# Altium PCB higgs.PcbDoc (part 22 of 25)
Units mm, origin at the board's own origin, x right, y up, seen from the top; angles counter-clockwise.
Board outline 160 x 160 mm, 15 copper layers (TOP, P1(GND), S1(V), P2(GND), S2(H), P3(GND), S3(V12/V2V5), S4(VDDR), P4(GND), S5(V), P5(GND), S6(H), P6(GND), P1(GND) (Plane1), BOT), stack 3.262 mm thick; 1283 components, 2419 nets, 11066 pads, 5487 vias.
Unrouted connection lines stored in the file: 239.
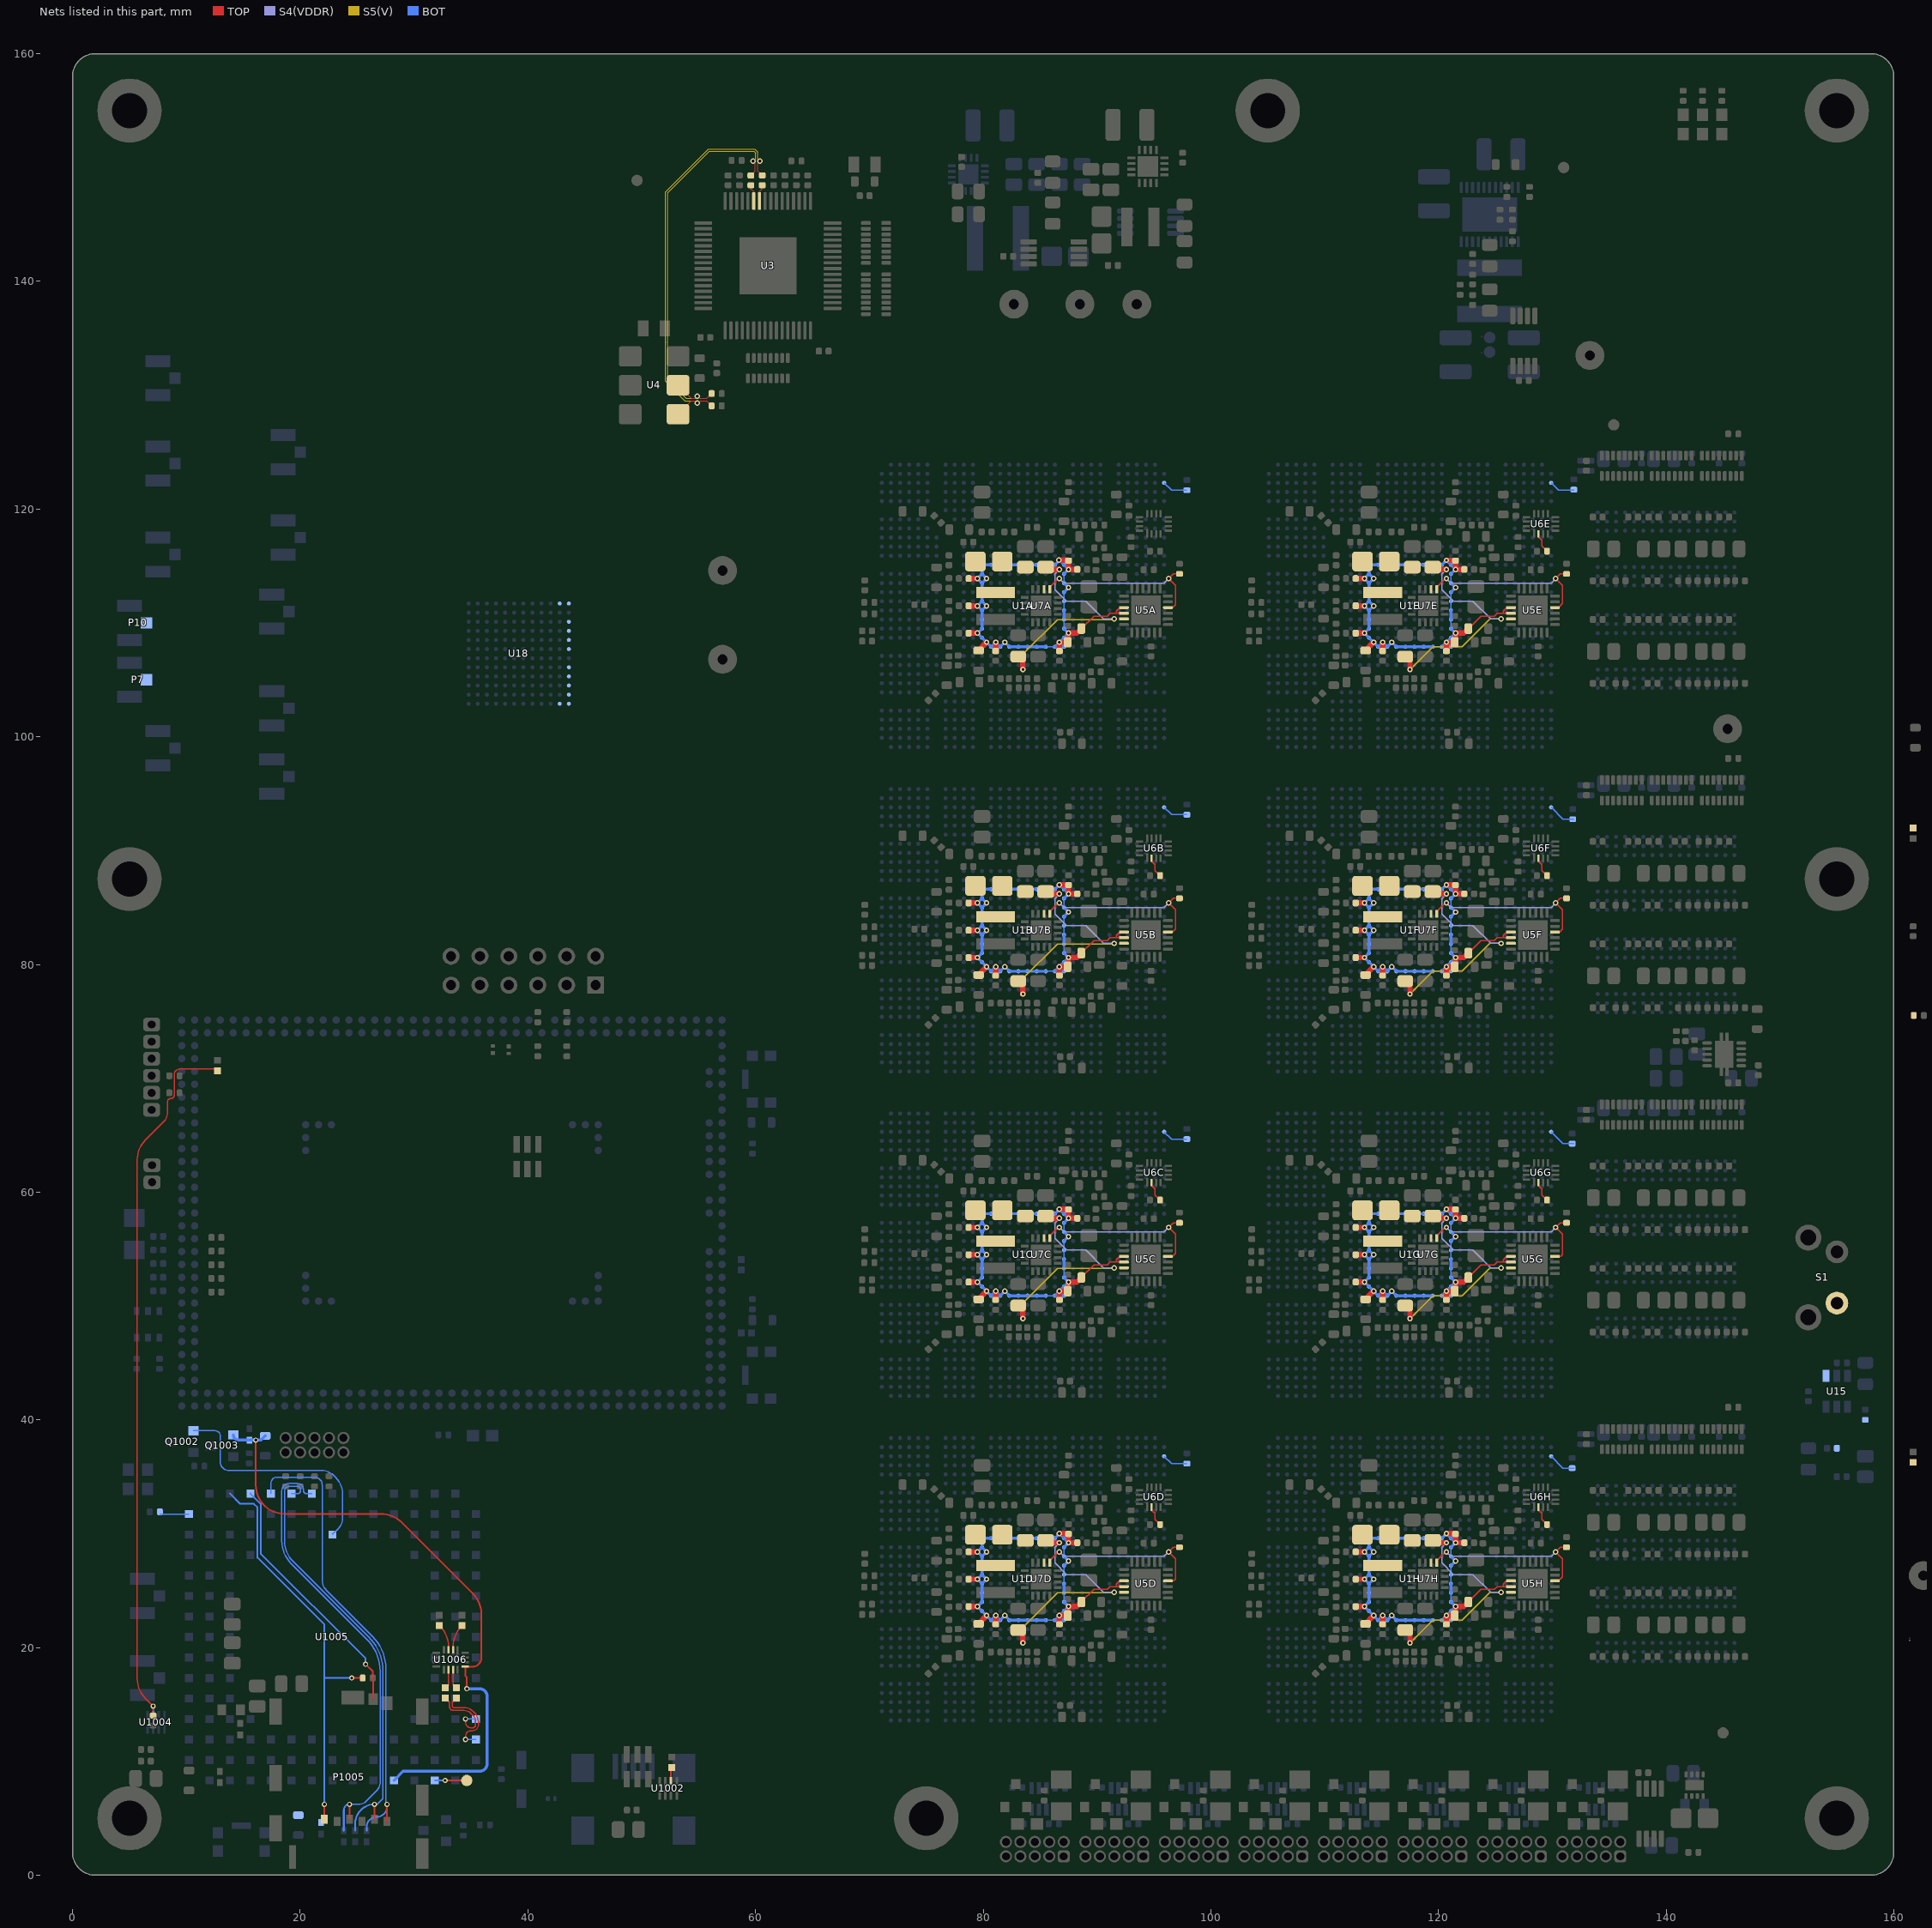
[diagram p35: the nets of this part, all layers, seen from the top]

## Via types
v1: diameter 0.483, hole 0.254, TOP to BOT, tented both sides, 5146 vias
v2: diameter 0.457, hole 0.254, TOP to BOT, tented both sides, 278 vias
v3: diameter 0.5, hole 0.25, TOP to BOT, 50 vias
v4: diameter 0.483/0/0/0/0.483/0/0/0.483 (per signal layer), hole 0.254, TOP to BOT, tented both sides, 7 vias
v5: diameter 0.483, hole 0.254, TOP to BOT, tented bottom, 5 vias
v6: diameter 0.483, hole 0.254, TOP to BOT, 1 vias

## Nets (pads, with @x,y where several pads share a name; then routed paths per layer and width w, separated by ;. In a path a pad name is that pad's centre, name@x,y a point inside that pad or via, vN(x,y) a via of type N, cw(c..) or ccw(c..) an arc to the next point about the centre after c; other vN are vias at no path point) (continued)
NetR122B_1: R122B.1 U6B.2 | length 1.8
  TOP w0.1: U6B.2@94.8,89.325 94.8,89.063 95.098,88.765 95.098,88.247 R122B.1@95.545,87.8
NetR122C_1: R122C.1 U6C.2 | length 1.8
  TOP w0.1: U6C.2@94.8,60.825 94.8,60.563 95.098,60.265 95.098,59.747 R122C.1@95.545,59.3
NetR122D_1: R122D.1 U6D.2 | length 1.8
  TOP w0.1: U6D.2@94.8,32.325 94.8,32.063 95.098,31.765 95.098,31.247 R122D.1@95.545,30.8
NetR122E_1: R122E.1 U6E.2 | length 1.8
  TOP w0.1: U6E.2@128.8,117.825 128.8,117.563 129.098,117.265 129.098,116.747 R122E.1@129.545,116.3
NetR122F_1: R122F.1 U6F.2 | length 1.8
  TOP w0.1: U6F.2@128.8,89.325 128.8,89.063 129.098,88.765 129.098,88.247 R122F.1@129.545,87.8
NetR122G_1: R122G.1 U6G.2 | length 1.8
  TOP w0.1: U6G.2@128.8,60.825 128.8,60.563 129.098,60.265 129.098,59.747 R122G.1@129.545,59.3
NetR122H_1: R122H.1 U6H.2 | length 1.8
  TOP w0.1: U6H.2@128.8,32.325 128.8,32.063 129.098,31.765 129.098,31.247 R122H.1@129.545,30.8
NetR125A_2: R125A.2 U1A.AM3 | length 2.3
  BOT w0.102: U1A.AM3@95.9,122.3 96.545,121.655 R125A.2@97.9,121.655
NetR125B_2: R125B.2 U1B.AM3 | length 2.3
  BOT w0.102: U1B.AM3@95.9,93.8 96.545,93.155 R125B.2@97.9,93.155
NetR125C_2: R125C.2 U1C.AM3 | length 2.3
  BOT w0.102: U1C.AM3@95.9,65.3 96.545,64.655 R125C.2@97.9,64.655
NetR125D_2: R125D.2 U1D.AM3 | length 2.3
  BOT w0.102: U1D.AM3@95.9,36.8 96.545,36.155 R125D.2@97.9,36.155
NetR125E_2: R125E.2 U1E.AM3 | length 2.3
  BOT w0.102: U1E.AM3@129.9,122.3 130.545,121.655 R125E.2@131.9,121.655
NetR125F_2: R125F.2 U1F.AM3 | length 2.4
  BOT w0.102: U1F.AM3@129.9,93.8 130.945,92.755 R125F.2@131.9,92.755
NetR125G_2: R125G.2 U1G.AM3 | length 2.4
  BOT w0.102: U1G.AM3@129.9,65.3 130.945,64.255 R125G.2@131.755,64.255 R125G.2@131.9,64.255
NetR125H_2: R125H.2 U1H.AM3 | length 2.4
  BOT w0.102: U1H.AM3@129.9,36.8 130.945,35.755 R125H.2@131.755,35.755 R125H.2@131.9,35.755
NetR1015_1: R1015.1 U1002.2 | length 1.2
  TOP w0.152: U1002.2@52.579,8.264 52.579,9.343 cw(c52.75,9.343) R1015.1@52.629,9.464
NetR1020_1: R1020.1 R1021.1 U1004.2 | length 63
  TOP w0.102: R1020.1@7.076,14.022 v2(7.076,14.847) 6.423,15.5 cw(c8.219,17.296) 5.679,17.296 5.679,62.817 cw(c8.219,62.817) 6.423,64.613 8.048,66.238 ccw(c7.368,66.917) 8.329,66.917 8.329,67.919 cw(c8.629,67.919) 8.629,68.219 ccw(c8.629,68.527) 8.937,68.527 8.937,70.319 cw(c9.437,70.319) 9.437,70.819 12.574,70.819 cw(c12.574,70.664) R1021.1@12.729,70.664
  BOT w0.102: v2(7.076,14.847) 7.079,14.844 U1004.2@7.079,14.064
NetR1022_2: R1022.2 U1005.B1 | length 2.6
  BOT w0.102: R1022.2@7.674,31.719 U1005.B1@10.229,31.719
NetR1023_1: R1023.1 U1006.11 | length 1.7
  TOP w0.102: U1006.11@33.429,18.044 33.429,16.774 ccw(c33.729,16.774) R1023.1@33.729,16.474
NetR1023_2: R1023.2 U1005.N15 | length 7.1
  TOP w0.102: R1023.2@33.729,15.564 33.365,15.2 33.365,14.847 ccw(c33.492,14.847) 33.492,14.72 34.381,14.72 cw(c34.381,13.546) 35.211,14.376 35.323,14.265 cw(c34.53,13.472) 35.651,13.472 35.651,13.196 cw(c35.143,13.196) 35.143,12.688 35.016,12.688 ccw(c35.016,12.201) 34.529,12.201 v2(34.529,11.919)
  BOT w0.127: v2(34.529,11.919) U1005.N15@35.429,11.919
NetR1024_2: R1024.2 U1006.2 | length 2.3
  TOP w0.127: U1006.2@33.429,19.794 33.429,20.067 cw(c35.969,20.067) 34.173,21.863 R1024.2@34.229,21.919
NetR1025_1: R1025.1 U1006.10 | length 1.7
  TOP w0.102: R1025.1@32.729,16.474 ccw(c32.729,16.774) 33.029,16.774 U1006.10@33.029,18.044
NetR1025_2: R1025.2 U1005.M15 | length 6.7
  TOP w0.102: R1025.2@32.729,15.564 33.111,15.182 33.111,14.847 ccw(c33.492,14.847) 33.492,14.466 34.381,14.466 cw(c34.381,13.546) 35.031,14.197 35.143,14.085 cw(c34.53,13.472) 35.397,13.472 35.397,13.196 cw(c35.143,13.196) 35.143,12.942 35.016,12.942 cw(c35.016,13.429) 34.529,13.429 v2(34.529,13.719)
  BOT w0.127: v2(34.529,13.719) U1005.M15@35.429,13.719
NetR1026_2: R1026.2 U1006.3 | length 2.3
  TOP w0.127: R1026.2@32.229,21.919 32.285,21.863 cw(c30.489,20.067) 33.029,20.067 U1006.3@33.029,19.794
NetR?_1: R?.1
NetT8_3: T8.3 U19.6
NetT10_3: T10.3 U20.6
NetTP1000_1: TP1000.1 U1005.R13 | length 2.8
  TOP w0.127: v2(32.729,8.319) TP1000.1@34.629,8.319
  BOT w0.127: U1005.R13@31.829,8.319 v2(32.729,8.319)
OBCLK_C_N: C66.1 U3.11 | length 1.5
  TOP w0.089: C66.1@59.59,148.446 59.59,148.132 59.84,147.882 U3.11@59.84,147.056
OBCLK_C_P: C65.1 U3.10 | length 1.5
  TOP w0.089: U3.10@60.34,147.056 60.34,147.882 60.59,148.132 C65.1@60.59,148.446
OBCLK_N: C66.2 R15.2 U4.5 | length 35.2
  TOP w0.089: U4.5@53.19,130.876 54.358,129.708 54.696,129.708 v1(54.893,129.904) 55.09,129.708 55.707,129.708 R15.2@56.145,130.146 ; C66.2@59.59,149.306 59.988,149.704 59.988,150.376 v1(59.792,150.573)
  S5(V) w0.089: v1(54.893,129.904) 54.696,129.708 53.89,129.708 52.29,131.308 52.29,134.223 52.293,134.226 52.293,134.726 52.29,134.729 52.29,147.776 55.937,151.423 59.843,151.423 59.99,151.276 59.99,150.771 v1(59.792,150.573)
OBCLK_P: C65.2 R14.2 U4.4 | length 36.2
  TOP w0.089: U4.4@53.19,128.336 54.358,129.504 54.696,129.504 v1(54.893,129.308) 55.09,129.504 55.707,129.504 R14.2@56.145,129.066 ; v1(60.389,150.573) 60.192,150.376 60.192,149.704 C65.2@60.59,149.306
  S5(V) w0.089: v1(54.893,129.308) 54.696,129.504 53.806,129.504 52.087,131.223 52.087,134.307 52.09,134.31 52.09,134.642 52.087,134.645 52.087,147.86 55.853,151.626 59.927,151.626 60.193,151.36 60.193,150.768 v1(60.389,150.573)
ONA: R25A.2 U16A.2
ONB: R25B.2 U16B.2
OUTA: C114A.2 P10.1
OUTB: C114B.2 P7.1
PROG_N: C132.2 R58.1 S1.2 U15.1
PS_ENA: R2A.1 U5A.10 U7A.13 | length 15.7
  TOP w0.1: U7A.13@85.85,112.95 85.85,113.15 86.6,113.9 v1(86.7,113.9) ; U5A.10@96.235,111.35 96.65,111.35 96.9,111.6 96.9,113.3 v1(96.3,113.9) 96.705,114.305 R2A.1@97.25,114.305
  S4(VDDR) w0.1: v1(86.7,113.9) 87.098,113.502 95.902,113.502 v1(96.3,113.9)
PS_ENB: R2B.1 U5B.10 U7B.13 | length 15.7
  TOP w0.1: U7B.13@85.85,84.45 85.85,84.65 86.6,85.4 v1(86.7,85.4) ; U5B.10@96.235,82.85 96.65,82.85 96.9,83.1 96.9,84.8 v1(96.3,85.4) 96.705,85.805 R2B.1@97.25,85.805
  S4(VDDR) w0.1: v1(86.7,85.4) 87.098,85.002 95.902,85.002 v1(96.3,85.4)
PS_ENC: R2C.1 U5C.10 U7C.13 | length 15.7
  TOP w0.1: U7C.13@85.85,55.95 85.85,56.15 86.6,56.9 v1(86.7,56.9) ; U5C.10@96.235,54.35 96.65,54.35 96.9,54.6 96.9,56.3 v1(96.3,56.9) 96.705,57.305 R2C.1@97.25,57.305
  S4(VDDR) w0.1: v1(86.7,56.9) 87.098,56.502 95.902,56.502 v1(96.3,56.9)
PS_END: R2D.1 U5D.10 U7D.13 | length 15.8
  TOP w0.1: U7D.13@85.85,27.45 85.85,27.65 86.6,28.4 v1(86.7,28.4) ; U5D.10@96.235,25.85 96.75,25.85 96.9,26 96.9,27.8 v1(96.3,28.4) 96.705,28.805 R2D.1@97.25,28.805
  S4(VDDR) w0.1: v1(86.7,28.4) 87.098,28.002 95.902,28.002 v1(96.3,28.4)
PS_ENE: R2E.1 U5E.10 U7E.13 | length 15.7
  TOP w0.1: U7E.13@119.85,112.95 119.85,113.15 120.6,113.9 v1(120.7,113.9) ; U5E.10@130.235,111.35 130.55,111.35 130.9,111.7 130.9,113.3 v1(130.3,113.9) 130.705,114.305 R2E.1@131.25,114.305
  S4(VDDR) w0.1: v1(120.7,113.9) 121.098,113.502 129.902,113.502 v1(130.3,113.9)
PS_ENF: R2F.1 U5F.10 U7F.13 | length 15.7
  TOP w0.1: U7F.13@119.85,84.45 119.85,84.65 120.6,85.4 v1(120.7,85.4) ; U5F.10@130.235,82.85 130.65,82.85 130.9,83.1 130.9,84.8 v1(130.3,85.4) 130.705,85.805 R2F.1@131.25,85.805
  S4(VDDR) w0.1: v1(120.7,85.4) 121.098,85.002 129.902,85.002 v1(130.3,85.4)
PS_ENG: R2G.1 U5G.10 U7G.13 | length 15.8
  TOP w0.1: U7G.13@119.85,55.95 119.85,56.15 120.6,56.9 v1(120.7,56.9) ; U5G.10@130.235,54.35 130.75,54.35 130.9,54.5 130.9,56.3 v1(130.3,56.9) 130.705,57.305 R2G.1@131.25,57.305
  S4(VDDR) w0.1: v1(120.7,56.9) 121.098,56.502 129.902,56.502 v1(130.3,56.9)
PS_ENH: R2H.1 U5H.10 U7H.13 | length 15.7
  TOP w0.1: U7H.13@119.85,27.45 119.85,27.65 120.6,28.4 v1(120.7,28.4) ; U5H.10@130.235,25.85 130.55,25.85 130.9,26.2 130.9,27.8 v1(130.3,28.4) 130.705,28.805 R2H.1@131.25,28.805
  S4(VDDR) w0.1: v1(120.7,28.4) 121.098,28.002 129.902,28.002 v1(130.3,28.4)
PWR_MON: C1022.2 C1023.1 Q1003.1 U1005.R11 U1006.13 | length 57.1
  TOP w0.152: v2(16.093,38.219) 16.093,34.278 ccw(c18.633,34.278) 18.633,31.738 27.106,31.738 cw(c27.106,29.198) 28.902,30.994 35.161,24.735 cw(c33.365,22.939) 35.905,22.939 35.905,19.081 cw(c35.143,19.081) 35.143,18.319 U1006.13@34.504,18.319 34.504,17.514 34.635,17.383 v2(34.635,16.371)
  BOT w0.254: Q1003.1@14.129,38.669 ccw(c14.579,38.669) 14.579,38.219 C1023.1@15.529,38.219 v2(16.093,38.219) 16.554,38.219 C1022.2@16.929,38.594 ; U1005.R11@28.229,8.319 29.042,9.132 35.778,9.132 ccw(c35.778,9.767) 36.413,9.767 36.413,15.736 ccw(c35.778,15.736) 35.778,16.371 v2(34.635,16.371)
RX1A.RX_N: C153.1 U18.M2
RX1A.RX_P: C154.1 U18.M1
RX1B.RX_N: C155.1 U18.J1
RX1B.RX_P: C156.1 U18.H1
RX1C.RX_N: C157.1 U18.L1
RX1C.RX_P: C169.1 U18.K1
RX2A.RX_N: C170.1 U18.A1
RX2A.RX_P: C171.1 U18.A2
RX2B.RX_N: C172.1 U18.F1
RX2B.RX_P: C173.1 U18.E1
RX2C.RX_N: C174.1 U18.D1
RX2C.RX_P: C175.1 U18.C1
SIMCLK: U1005.A6 | length 38.7
  TOP w0.152: 26.529,4.919 v2(26.529,6.219)
  BOT w0.102: U1005.A6@19.229,33.519 19.776,33.519 ccw(c19.776,33.773) 20.03,33.773 20.03,33.897 ccw(c19.776,33.897) 19.776,34.151 19.014,34.151 ccw(c19.014,33.77) 18.633,33.77 18.633,29.361 ccw(c21.173,29.361) 19.377,27.565 26.025,20.917 cw(c23.022,17.914) 27.269,17.914 27.269,6.719 26.769,6.219 v2(26.529,6.219)
  BOT w0.152: 24.829,3.919 24.829,4.519 cw(c26.529,4.519) v2(26.529,6.219)
SIMIN: U1005.A4 | length 22.5
  TOP w0.152: v2(25.745,18.53) 26.374,17.901 26.374,17.319 26.414,17.279 26.414,15.469
  BOT w0.152: U1005.A4@15.629,33.519 16.529,32.619 16.529,28.254 25.745,19.038 v2(25.745,18.53)
SIMIO: U1005.A5 | length 41.2
  TOP w0.152: 27.629,4.719 v2(27.629,6.219)
  BOT w0.102: U1005.A5@17.429,33.519 17.429,34.42 cw(c17.973,34.42) 17.973,34.964 21.249,34.964 cw(c21.249,34.278) 21.935,34.278 21.935,25.927 ccw(c23.236,25.927) 22.316,25.007 26.362,20.961 cw(c23.559,18.158) 27.523,18.158 27.523,6.219 v2(27.629,6.219)
  BOT w0.152: 25.829,3.919 25.829,4.219 cw(c26.729,4.219) 26.729,5.119 ccw(c26.729,6.019) 27.629,6.019 v2(27.629,6.219)
SIMRST: U1005.A7 | length 40
  TOP w0.152: 24.329,4.919 v2(24.329,6.219)
  BOT w0.102: U1005.A7@21.029,33.519 20.535,33.519 cw(c20.535,33.77) 20.284,33.77 20.284,33.897 ccw(c19.776,33.897) 19.776,34.405 19.014,34.405 ccw(c19.014,33.77) 18.379,33.77 18.379,29.361 ccw(c21.173,29.361) 19.197,27.385 25.845,20.737 cw(c23.022,17.914) 27.015,17.914 27.015,8.094 cw(c26.148,8.094) 26.761,7.481 25.774,6.494 cw(c25.11,7.158) 25.11,6.219 v2(24.329,6.219)
  BOT w0.152: 23.829,3.919 23.829,5.719 cw(c24.329,5.719) v2(24.329,6.219)
SIMVCC: C1007.1 C1008.2 P1005.C1 R1016.2 | length 36.1
  TOP w0.152: P1005.C1@22.129,4.919 v2(22.129,6.219) ; v2(24.529,17.319) R1016.2@25.484,17.319
  BOT w0.152: 13.829,33.519 14.729,32.619 15.929,32.619 16.25,32.298 16.25,27.898 22.129,22.019 22.129,17.319 ; v2(22.129,6.219) 22.129,17.319 ; v2(24.529,17.319) 22.129,17.319
SNSA_N: C39A.2 C40A.2 C41A.2 C42A.2 C43A.2 C44A.2 C45A.2 C60A.2 C61A.2 C62A.2 R6A.2 U1A.AA12 U1A.AA13 U1A.AA14 U1A.AA15 U1A.AA16 U1A.AA17 U1A.AA18 U1A.AA19 U1A.AA20 U1A.AA21 U1A.M12 U1A.M13 U1A.M14 U1A.M15 U1A.M16 U1A.M17 U1A.M18 U1A.M19 U1A.M20 U1A.M21 U1A.N12 U1A.N21 U1A.P12 U1A.P21 U1A.R12 U1A.R21 U1A.T12 U1A.T21 U1A.U12 U1A.U21 U1A.V12 U1A.V21 U1A.W12 U1A.W21 U1A.Y12 U1A.Y21 U5A.21 U5A.22 | length 49.7
  TOP w0.1: C60A.2@88.625,109.5 89.725,110.6 90.9,110.6 91.15,110.85 91.7,110.85 ; U5A.22@92.365,110.85 91.7,110.85 ; U5A.21@92.365,111.35 92,111.35 91.7,111.05 91.7,110.85
  TOP w0.483: C41A.2@78.73,109.1 v1(79.5,109.1) ; C40A.2@78.73,111.5 v1(79.5,111.5) ; C39A.2@78.73,113.9 v1(79.5,113.9) ; C62A.2@79.6,107.575 79.6,107.6 v1(80.3,108.3) ; C43A.2@81.1,107.53 v1(81.1,108.3) ; v1(86.656,115.531) 87.439,115.531 C45A.2@87.456,115.514 ; C44A.2@86.7,107.53 v1(86.7,108.3) C61A.2@87.425,108.3 87.5,108.375 v1(87.5,109.1) 88.225,109.1 C60A.2@88.625,109.5 ; C45A.2@87.456,115.531 C45A.2@87.456,115.514 ; C42A.2@88.27,114.7 v1(87.5,114.7) C45A.2@87.5,115.47 C45A.2@87.456,115.514
  BOT w0.102: U1A.W21@85.5,107.9 U1A.Y21@86.3,107.9 ; U1A.AA19@87.1,109.5 U1A.AA18@87.1,110.3 ; U1A.AA17@87.1,111.1 U1A.AA15@87.1,112.7 ; U1A.AA14@87.1,113.5 U1A.AA13@87.1,114.3
  BOT w0.203: v1(86.656,115.531) 86.669,115.531 U1A.AA12@87.1,115.1
  BOT w0.254: U1A.M21@79.9,107.9 v1(80.3,108.3) ; U1A.W21@85.5,107.9 U1A.R21@82.3,107.9 v1(81.9,108.3) U1A.P21@81.5,107.9 v1(81.1,108.3) U1A.N21@80.7,107.9 v1(80.3,108.3) ; U1A.Y21@86.3,107.9 v1(86.7,108.3) ; v1@86.686,115.486 U1A.Y12@86.3,115.1 U1A.M12@79.9,115.1 U1A.M13@79.9,114.3 ; U1A.AA21@87.1,107.9 v1(86.7,108.3) ; U1A.AA19@87.1,109.5 v1(87.5,109.1) U1A.AA20@87.1,108.7 v1(86.7,108.3) ; U1A.AA18@87.1,110.3 U1A.AA17@87.1,111.1 ; U1A.AA15@87.1,112.7 v1(87.5,113.1) U1A.AA14@87.1,113.5 ; U1A.AA13@87.1,114.3 v1(87.5,114.7) U1A.AA12@87.1,115.1 ; U1A.M17@79.9,111.1 U1A.M19@79.9,109.5 v1(79.5,109.1) U1A.M20@79.9,108.7 v1(80.3,108.3) ; U1A.M17@79.9,111.1 v1(79.5,111.5) U1A.M16@79.9,111.9 ; U1A.M17@79.9,111.1 v1(80.3,111.5) U1A.M16@79.9,111.9 ; U1A.M16@79.9,111.9 U1A.M14@79.9,113.5 ; U1A.M14@79.9,113.5 v1(79.5,113.9) U1A.M13@79.9,114.3 ; U1A.M14@79.9,113.5 v1(80.3,113.9) U1A.M13@79.9,114.3
SNSA_P: C4A.2 C5A.2 L1A.2 R6A.1 R10A.2 U5A.23 U7A.14 | length 21.1
  TOP w0.483: R10A.2@83.15,107.035 83.5,106.685 v1(83.5,105.9) ; C4A.2@85.7,114.7 v1(86.7,114.7)
  S4(VDDR) w0.1: v1(86.7,114.7) 86.302,114.302 86.302,113.265 86.302,112.935 87.335,111.902 89.035,111.902 90.587,110.35 v1(91.5,110.35)
  S5(V) w0.1: v1(83.5,105.9) 83.5,107.263 86.535,110.298 91.448,110.298 v1(91.5,110.35)
SNSB_N: C39B.2 C40B.2 C41B.2 C42B.2 C43B.2 C44B.2 C45B.2 C60B.2 C61B.2 C62B.2 R6B.2 U1B.AA12 U1B.AA13 U1B.AA14 U1B.AA15 U1B.AA16 U1B.AA17 U1B.AA18 U1B.AA19 U1B.AA20 U1B.AA21 U1B.M12 U1B.M13 U1B.M14 U1B.M15 U1B.M16 U1B.M17 U1B.M18 U1B.M19 U1B.M20 U1B.M21 U1B.N12 U1B.N21 U1B.P12 U1B.P21 U1B.R12 U1B.R21 U1B.T12 U1B.T21 U1B.U12 U1B.U21 U1B.V12 U1B.V21 U1B.W12 U1B.W21 U1B.Y12 U1B.Y21 U5B.21 U5B.22 | length 50.1
  TOP w0.1: C60B.2@88.625,81 89.725,82.1 90.9,82.1 91.15,82.35 91.7,82.35 ; U5B.22@92.365,82.35 91.7,82.35 ; U5B.21@92.365,82.85 92,82.85 91.7,82.55 91.7,82.35
  TOP w0.483: C41B.2@78.73,80.6 v1(79.5,80.6) ; C40B.2@78.73,83 v1(79.5,83) ; C39B.2@78.73,85.4 v1(79.5,85.4) ; R6B.2@79.13,87.09 R6B.2@79.32,86.9 R6B.2@79.5,86.72 ; C62B.2@79.6,79.075 79.6,79.1 v1(80.3,79.8) ; C43B.2@81.1,79.03 v1(81.1,79.8) ; C44B.2@86.7,79.03 v1(86.7,79.8) C61B.2@87.425,79.8 87.5,79.875 v1(87.5,80.6) 88.225,80.6 C60B.2@88.625,81 ; v1(86.7,87) 87.47,87 C45B.2@87.5,86.97 v1(87.5,86.2) C42B.2@88.27,86.2
  BOT w0.102: U1B.W21@85.5,79.4 U1B.Y21@86.3,79.4 ; U1B.AA19@87.1,81 U1B.AA18@87.1,81.8 ; U1B.AA17@87.1,82.6 U1B.AA15@87.1,84.2 ; U1B.AA14@87.1,85 U1B.AA13@87.1,85.8
  BOT w0.254: U1B.M21@79.9,79.4 v1(80.3,79.8) ; U1B.W21@85.5,79.4 U1B.R21@82.3,79.4 v1(81.9,79.8) U1B.P21@81.5,79.4 v1(81.1,79.8) U1B.N21@80.7,79.4 v1(80.3,79.8) ; U1B.Y21@86.3,79.4 v1(86.7,79.8) ; U1B.AA21@87.1,79.4 v1(86.7,79.8) ; U1B.AA19@87.1,81 v1(87.5,80.6) U1B.AA20@87.1,80.2 v1(86.7,79.8) ; U1B.AA18@87.1,81.8 U1B.AA17@87.1,82.6 ; U1B.AA15@87.1,84.2 v1(87.5,84.6) U1B.AA14@87.1,85 ; U1B.AA13@87.1,85.8 v1(87.5,86.2) U1B.AA12@87.1,86.6 v1(86.7,87) U1B.Y12@86.3,86.6 U1B.M12@79.9,86.6 U1B.M13@79.9,85.8 ; U1B.M17@79.9,82.6 U1B.M19@79.9,81 v1(79.5,80.6) U1B.M20@79.9,80.2 v1(80.3,79.8) ; U1B.M17@79.9,82.6 v1(79.5,83) U1B.M16@79.9,83.4 ; U1B.M17@79.9,82.6 v1(80.3,83) U1B.M16@79.9,83.4 ; U1B.M16@79.9,83.4 U1B.M14@79.9,85 ; U1B.M14@79.9,85 v1(79.5,85.4) U1B.M13@79.9,85.8 ; U1B.M14@79.9,85 v1(80.3,85.4) U1B.M13@79.9,85.8
SNSB_P: C4B.2 C5B.2 L1B.2 R6B.1 R10B.2 U5B.23 U7B.14 | length 21
  TOP w0.483: R10B.2@83.15,78.535 83.5,78.185 v1(83.5,77.4) ; C4B.2@85.7,86.2 v1(86.7,86.2)
  S4(VDDR) w0.1: v1(86.7,86.2) 86.302,85.802 86.302,84.765 86.302,84.435 87.335,83.402 89.035,83.402 90.587,81.85 v1(91.5,81.85)
  S5(V) w0.1: v1(83.5,77.4) 83.5,78.763 86.535,81.798 v1@91.448,81.798
SNSC_N: C39C.2 C40C.2 C41C.2 C42C.2 C43C.2 C44C.2 C45C.2 C60C.2 C61C.2 C62C.2 R6C.2 U1C.AA12 U1C.AA13 U1C.AA14 U1C.AA15 U1C.AA16 U1C.AA17 U1C.AA18 U1C.AA19 U1C.AA20 U1C.AA21 U1C.M12 U1C.M13 U1C.M14 U1C.M15 U1C.M16 U1C.M17 U1C.M18 U1C.M19 U1C.M20 U1C.M21 U1C.N12 U1C.N21 U1C.P12 U1C.P21 U1C.R12 U1C.R21 U1C.T12 U1C.T21 U1C.U12 U1C.U21 U1C.V12 U1C.V21 U1C.W12 U1C.W21 U1C.Y12 U1C.Y21 U5C.21 U5C.22 | length 50.1
  TOP w0.1: C60C.2@88.625,52.5 89.725,53.6 90.9,53.6 91.15,53.85 91.7,53.85 ; U5C.22@92.365,53.85 91.7,53.85 ; U5C.21@92.365,54.35 92,54.35 91.7,54.05 91.7,53.85
  TOP w0.483: C41C.2@78.73,52.1 v1(79.5,52.1) ; C40C.2@78.73,54.5 v1(79.5,54.5) ; C39C.2@78.73,56.9 v1(79.5,56.9) ; R6C.2@79.13,58.59 R6C.2@79.32,58.4 R6C.2@79.5,58.22 ; C62C.2@79.6,50.575 79.6,50.6 v1(80.3,51.3) ; C43C.2@81.1,50.53 v1(81.1,51.3) ; C44C.2@86.7,50.53 v1(86.7,51.3) C61C.2@87.425,51.3 87.5,51.375 v1(87.5,52.1) 88.225,52.1 C60C.2@88.625,52.5 ; v1(86.7,58.5) 87.47,58.5 C45C.2@87.5,58.47 v1(87.5,57.7) C42C.2@88.27,57.7
  BOT w0.102: U1C.W21@85.5,50.9 U1C.Y21@86.3,50.9 ; U1C.AA19@87.1,52.5 U1C.AA18@87.1,53.3 ; U1C.AA17@87.1,54.1 U1C.AA15@87.1,55.7 ; U1C.AA14@87.1,56.5 U1C.AA13@87.1,57.3
  BOT w0.254: U1C.M21@79.9,50.9 v1(80.3,51.3) ; U1C.W21@85.5,50.9 U1C.R21@82.3,50.9 v1(81.9,51.3) U1C.P21@81.5,50.9 v1(81.1,51.3) U1C.N21@80.7,50.9 v1(80.3,51.3) ; U1C.Y21@86.3,50.9 v1(86.7,51.3) ; U1C.AA21@87.1,50.9 v1(86.7,51.3) ; U1C.AA19@87.1,52.5 v1(87.5,52.1) U1C.AA20@87.1,51.7 v1(86.7,51.3) ; U1C.AA18@87.1,53.3 U1C.AA17@87.1,54.1 ; U1C.AA15@87.1,55.7 v1(87.5,56.1) U1C.AA14@87.1,56.5 ; U1C.AA13@87.1,57.3 v1(87.5,57.7) U1C.AA12@87.1,58.1 v1(86.7,58.5) U1C.Y12@86.3,58.1 U1C.M12@79.9,58.1 U1C.M13@79.9,57.3 ; U1C.M17@79.9,54.1 U1C.M19@79.9,52.5 v1(79.5,52.1) U1C.M20@79.9,51.7 v1(80.3,51.3) ; U1C.M17@79.9,54.1 v1(79.5,54.5) U1C.M16@79.9,54.9 ; U1C.M17@79.9,54.1 v1(80.3,54.5) U1C.M16@79.9,54.9 ; U1C.M16@79.9,54.9 U1C.M14@79.9,56.5 ; U1C.M14@79.9,56.5 v1(79.5,56.9) U1C.M13@79.9,57.3 ; U1C.M14@79.9,56.5 v1(80.3,56.9) U1C.M13@79.9,57.3
SNSC_P: C4C.2 C5C.2 L1C.2 R6C.1 R10C.2 U5C.23 U7C.14 | length 21
  TOP w0.483: R10C.2@83.15,50.035 83.5,49.685 v1(83.5,48.9) ; C4C.2@85.7,57.7 v1(86.7,57.7)
  S4(VDDR) w0.1: v1(86.7,57.7) 86.302,57.302 86.302,56.265 86.302,55.935 87.335,54.902 89.035,54.902 90.587,53.35 v1(91.5,53.35)
  S5(V) w0.1: v1(83.5,48.9) 83.5,50.263 86.535,53.298 v1@91.448,53.298
SNSD_N: C39D.2 C40D.2 C41D.2 C42D.2 C43D.2 C44D.2 C45D.2 C60D.2 C61D.2 C62D.2 R6D.2 U1D.AA12 U1D.AA13 U1D.AA14 U1D.AA15 U1D.AA16 U1D.AA17 U1D.AA18 U1D.AA19 U1D.AA20 U1D.AA21 U1D.M12 U1D.M13 U1D.M14 U1D.M15 U1D.M16 U1D.M17 U1D.M18 U1D.M19 U1D.M20 U1D.M21 U1D.N12 U1D.N21 U1D.P12 U1D.P21 U1D.R12 U1D.R21 U1D.T12 U1D.T21 U1D.U12 U1D.U21 U1D.V12 U1D.V21 U1D.W12 U1D.W21 U1D.Y12 U1D.Y21 U5D.21 U5D.22 | length 50.1
  TOP w0.1: C60D.2@88.625,24 89.725,25.1 90.9,25.1 91.15,25.35 91.7,25.35 ; U5D.22@92.365,25.35 91.7,25.35 ; U5D.21@92.365,25.85 92,25.85 91.7,25.55 91.7,25.35
  TOP w0.483: C41D.2@78.73,23.6 v1(79.5,23.6) ; C40D.2@78.73,26 v1(79.5,26) ; C39D.2@78.73,28.4 v1(79.5,28.4) ; R6D.2@79.13,30.09 R6D.2@79.32,29.9 R6D.2@79.5,29.72 ; C62D.2@79.6,22.075 79.6,22.1 v1(80.3,22.8) ; C43D.2@81.1,22.03 v1(81.1,22.8) ; C44D.2@86.7,22.03 v1(86.7,22.8) C61D.2@87.425,22.8 87.5,22.875 v1(87.5,23.6) 88.225,23.6 C60D.2@88.625,24 ; v1(86.7,30) 87.47,30 C45D.2@87.5,29.97 v1(87.5,29.2) C42D.2@88.27,29.2
  BOT w0.102: U1D.W21@85.5,22.4 U1D.Y21@86.3,22.4 ; U1D.AA19@87.1,24 U1D.AA18@87.1,24.8 ; U1D.AA17@87.1,25.6 U1D.AA15@87.1,27.2 ; U1D.AA14@87.1,28 U1D.AA13@87.1,28.8
  BOT w0.254: U1D.M21@79.9,22.4 v1(80.3,22.8) ; U1D.W21@85.5,22.4 U1D.V21@84.7,22.4 U1D.U21@83.9,22.4 U1D.T21@83.1,22.4 U1D.R21@82.3,22.4 v1(81.9,22.8) U1D.P21@81.5,22.4 v1(81.1,22.8) U1D.N21@80.7,22.4 v1(80.3,22.8) ; U1D.Y21@86.3,22.4 v1(86.7,22.8) ; U1D.AA21@87.1,22.4 v1(86.7,22.8) ; U1D.AA19@87.1,24 v1(87.5,23.6) U1D.AA20@87.1,23.2 v1(86.7,22.8) ; U1D.AA18@87.1,24.8 U1D.AA17@87.1,25.6 ; U1D.AA15@87.1,27.2 v1(87.5,27.6) U1D.AA14@87.1,28 ; U1D.AA13@87.1,28.8 v1(87.5,29.2) U1D.AA12@87.1,29.6 v1(86.7,30) U1D.Y12@86.3,29.6 U1D.W12@85.5,29.6 U1D.V12@84.7,29.6 U1D.U12@83.9,29.6 U1D.T12@83.1,29.6 U1D.R12@82.3,29.6 U1D.P12@81.5,29.6 U1D.N12@80.7,29.6 U1D.M12@79.9,29.6 U1D.M13@79.9,28.8 ; U1D.M17@79.9,25.6 U1D.M19@79.9,24 v1(79.5,23.6) U1D.M20@79.9,23.2 v1(80.3,22.8) ; U1D.M17@79.9,25.6 v1(79.5,26) U1D.M16@79.9,26.4 ; U1D.M17@79.9,25.6 v1(80.3,26) U1D.M16@79.9,26.4 ; U1D.M16@79.9,26.4 U1D.M14@79.9,28 ; U1D.M14@79.9,28 v1(79.5,28.4) U1D.M13@79.9,28.8 ; U1D.M14@79.9,28 v1(80.3,28.4) U1D.M13@79.9,28.8
SNSD_P: C4D.2 C5D.2 L1D.2 R6D.1 R10D.2 U5D.23 U7D.14 | length 21
  TOP w0.483: R10D.2@83.15,21.535 83.5,21.185 v1(83.5,20.4) ; C4D.2@85.7,29.2 v1(86.7,29.2)
  S4(VDDR) w0.1: v1(86.7,29.2) 86.302,28.802 86.302,27.765 86.302,27.435 87.335,26.402 89.035,26.402 90.587,24.85 v1(91.5,24.85)
  S5(V) w0.1: v1(83.5,20.4) 83.5,21.763 86.535,24.798 v1@91.448,24.798
SNSE_N: C39E.2 C40E.2 C41E.2 C42E.2 C43E.2 C44E.2 C45E.2 C60E.2 C61E.2 C62E.2 R6E.2 U1E.AA12 U1E.AA13 U1E.AA14 U1E.AA15 U1E.AA16 U1E.AA17 U1E.AA18 U1E.AA19 U1E.AA20 U1E.AA21 U1E.M12 U1E.M13 U1E.M14 U1E.M15 U1E.M16 U1E.M17 U1E.M18 U1E.M19 U1E.M20 U1E.M21 U1E.N12 U1E.N21 U1E.P12 U1E.P21 U1E.R12 U1E.R21 U1E.T12 U1E.T21 U1E.U12 U1E.U21 U1E.V12 U1E.V21 U1E.W12 U1E.W21 U1E.Y12 U1E.Y21 U5E.21 U5E.22 | length 50.1
  TOP w0.1: C60E.2@122.625,109.5 123.725,110.6 124.9,110.6 125.15,110.85 125.7,110.85 ; U5E.22@126.365,110.85 125.7,110.85 ; U5E.21@126.365,111.35 126,111.35 125.7,111.05 125.7,110.85
  TOP w0.483: C41E.2@112.73,109.1 v1(113.5,109.1) ; C40E.2@112.73,111.5 v1(113.5,111.5) ; C39E.2@112.73,113.9 v1(113.5,113.9) ; R6E.2@113.13,115.59 R6E.2@113.32,115.4 R6E.2@113.5,115.22 ; C62E.2@113.6,107.575 113.6,107.6 v1(114.3,108.3) ; C43E.2@115.1,107.53 v1(115.1,108.3) ; C44E.2@120.7,107.53 v1(120.7,108.3) C61E.2@121.425,108.3 121.5,108.375 v1(121.5,109.1) 122.225,109.1 C60E.2@122.625,109.5 ; v1(120.7,115.5) 121.47,115.5 C45E.2@121.5,115.47 v1(121.5,114.7) C42E.2@122.27,114.7
  BOT w0.102: U1E.W21@119.5,107.9 U1E.Y21@120.3,107.9 ; U1E.AA19@121.1,109.5 U1E.AA18@121.1,110.3 ; U1E.AA17@121.1,111.1 U1E.AA16@121.1,111.9 U1E.AA15@121.1,112.7 ; U1E.AA14@121.1,113.5 U1E.AA13@121.1,114.3
  BOT w0.254: U1E.M21@113.9,107.9 v1(114.3,108.3) ; U1E.W21@119.5,107.9 U1E.V21@118.7,107.9 U1E.U21@117.9,107.9 U1E.T21@117.1,107.9 U1E.R21@116.3,107.9 v1(115.9,108.3) U1E.P21@115.5,107.9 v1(115.1,108.3) U1E.N21@114.7,107.9 v1(114.3,108.3) ; U1E.Y21@120.3,107.9 v1(120.7,108.3) ; U1E.AA21@121.1,107.9 v1(120.7,108.3) ; U1E.AA19@121.1,109.5 v1(121.5,109.1) U1E.AA20@121.1,108.7 v1(120.7,108.3) ; U1E.AA18@121.1,110.3 U1E.AA17@121.1,111.1 ; U1E.AA15@121.1,112.7 v1(121.5,113.1) U1E.AA14@121.1,113.5 ; U1E.AA13@121.1,114.3 v1(121.5,114.7) U1E.AA12@121.1,115.1 v1(120.7,115.5) U1E.Y12@120.3,115.1 U1E.W12@119.5,115.1 U1E.V12@118.7,115.1 U1E.U12@117.9,115.1 U1E.T12@117.1,115.1 U1E.R12@116.3,115.1 U1E.P12@115.5,115.1 U1E.N12@114.7,115.1 U1E.M12@113.9,115.1 U1E.M13@113.9,114.3 ; U1E.M17@113.9,111.1 v1(113.5,111.5) U1E.M16@113.9,111.9 ; U1E.M17@113.9,111.1 U1E.M18@113.9,110.3 U1E.M19@113.9,109.5 v1(113.5,109.1) U1E.M20@113.9,108.7 v1(114.3,108.3) ; U1E.M17@113.9,111.1 v1(114.3,111.5) U1E.M16@113.9,111.9 ; U1E.M16@113.9,111.9 U1E.M15@113.9,112.7 U1E.M14@113.9,113.5 ; U1E.M14@113.9,113.5 v1(114.3,113.9) U1E.M13@113.9,114.3 ; U1E.M14@113.9,113.5 v1(113.5,113.9) U1E.M13@113.9,114.3
SNSE_P: C4E.2 C5E.2 L1E.2 R6E.1 R10E.2 U5E.23 U7E.14 | length 20.3
  TOP w0.483: R10E.2@117.15,107.035 117.5,106.685 v1(117.5,105.9) ; C4E.2@119.7,114.7 v1(120.7,114.7)
  S4(VDDR) w0.1: v1(120.7,114.7) 120.302,114.302 120.302,113.265 120.302,112.935 121.335,111.902 123.035,111.902 124.587,110.35 v1(125.5,110.35)
  S5(V) w0.1: v1(117.5,105.9) 119.502,107.902 122.077,107.902 124.525,110.35 v1(125.5,110.35)
SNSF_N: C39F.2 C40F.2 C41F.2 C42F.2 C43F.2 C44F.2 C45F.2 C60F.2 C61F.2 C62F.2 R6F.2 U1F.AA12 U1F.AA13 U1F.AA14 U1F.AA15 U1F.AA16 U1F.AA17 U1F.AA18 U1F.AA19 U1F.AA20 U1F.AA21 U1F.M12 U1F.M13 U1F.M14 U1F.M15 U1F.M16 U1F.M17 U1F.M18 U1F.M19 U1F.M20 U1F.M21 U1F.N12 U1F.N21 U1F.P12 U1F.P21 U1F.R12 U1F.R21 U1F.T12 U1F.T21 U1F.U12 U1F.U21 U1F.V12 U1F.V21 U1F.W12 U1F.W21 U1F.Y12 U1F.Y21 U5F.21 U5F.22 | length 50.1
  TOP w0.1: C60F.2@122.625,81 123.725,82.1 124.9,82.1 125.15,82.35 125.7,82.35 ; U5F.22@126.365,82.35 125.7,82.35 ; U5F.21@126.365,82.85 126,82.85 125.7,82.55 125.7,82.35
  TOP w0.483: C41F.2@112.73,80.6 v1(113.5,80.6) ; C40F.2@112.73,83 v1(113.5,83) ; C39F.2@112.73,85.4 v1(113.5,85.4) ; R6F.2@113.13,87.09 R6F.2@113.32,86.9 R6F.2@113.5,86.72 ; C62F.2@113.6,79.075 113.6,79.1 v1(114.3,79.8) ; C43F.2@115.1,79.03 v1(115.1,79.8) ; C44F.2@120.7,79.03 v1(120.7,79.8) C61F.2@121.425,79.8 121.5,79.875 v1(121.5,80.6) 122.225,80.6 C60F.2@122.625,81 ; v1(120.7,87) 121.47,87 C45F.2@121.5,86.97 v1(121.5,86.2) C42F.2@122.27,86.2
  BOT w0.102: U1F.W21@119.5,79.4 U1F.Y21@120.3,79.4 ; U1F.AA19@121.1,81 U1F.AA18@121.1,81.8 ; U1F.AA17@121.1,82.6 U1F.AA15@121.1,84.2 ; U1F.AA14@121.1,85 U1F.AA13@121.1,85.8
  BOT w0.254: U1F.M21@113.9,79.4 v1(114.3,79.8) ; U1F.W21@119.5,79.4 U1F.R21@116.3,79.4 v1(115.9,79.8) U1F.P21@115.5,79.4 v1(115.1,79.8) U1F.N21@114.7,79.4 v1(114.3,79.8) ; U1F.Y21@120.3,79.4 v1(120.7,79.8) ; U1F.AA21@121.1,79.4 v1(120.7,79.8) ; U1F.AA19@121.1,81 v1(121.5,80.6) U1F.AA20@121.1,80.2 v1(120.7,79.8) ; U1F.AA18@121.1,81.8 U1F.AA17@121.1,82.6 ; U1F.AA15@121.1,84.2 v1(121.5,84.6) U1F.AA14@121.1,85 ; U1F.AA13@121.1,85.8 v1(121.5,86.2) U1F.AA12@121.1,86.6 v1(120.7,87) U1F.Y12@120.3,86.6 U1F.M12@113.9,86.6 U1F.M13@113.9,85.8 ; U1F.M17@113.9,82.6 U1F.M19@113.9,81 v1(113.5,80.6) U1F.M20@113.9,80.2 v1(114.3,79.8) ; U1F.M17@113.9,82.6 v1(113.5,83) U1F.M16@113.9,83.4 ; U1F.M17@113.9,82.6 v1(114.3,83) U1F.M16@113.9,83.4 ; U1F.M16@113.9,83.4 U1F.M14@113.9,85 ; U1F.M14@113.9,85 v1(113.5,85.4) U1F.M13@113.9,85.8 ; U1F.M14@113.9,85 v1(114.3,85.4) U1F.M13@113.9,85.8
SNSF_P: C4F.2 C5F.2 L1F.2 R6F.1 R10F.2 U5F.23 U7F.14 | length 20.3
  TOP w0.483: R10F.2@117.15,78.535 117.5,78.185 v1(117.5,77.4) ; C4F.2@119.7,86.2 v1(120.7,86.2)
  S4(VDDR) w0.1: v1(120.7,86.2) 120.302,85.802 120.302,84.765 120.302,84.435 121.335,83.402 123.035,83.402 124.587,81.85 v1(125.5,81.85)
  S5(V) w0.1: v1(117.5,77.4) 119.502,79.402 122.077,79.402 124.525,81.85 v1(125.5,81.85)
SNSG_N: C39G.2 C40G.2 C41G.2 C42G.2 C43G.2 C44G.2 C45G.2 C60G.2 C61G.2 C62G.2 R6G.2 U1G.AA12 U1G.AA13 U1G.AA14 U1G.AA15 U1G.AA16 U1G.AA17 U1G.AA18 U1G.AA19 U1G.AA20 U1G.AA21 U1G.M12 U1G.M13 U1G.M14 U1G.M15 U1G.M16 U1G.M17 U1G.M18 U1G.M19 U1G.M20 U1G.M21 U1G.N12 U1G.N21 U1G.P12 U1G.P21 U1G.R12 U1G.R21 U1G.T12 U1G.T21 U1G.U12 U1G.U21 U1G.V12 U1G.V21 U1G.W12 U1G.W21 U1G.Y12 U1G.Y21 U5G.21 U5G.22 | length 50.1
  TOP w0.1: C60G.2@122.625,52.5 123.725,53.6 124.9,53.6 125.15,53.85 125.7,53.85 ; U5G.22@126.365,53.85 125.7,53.85 ; U5G.21@126.365,54.35 126,54.35 125.7,54.05 125.7,53.85
  TOP w0.483: C41G.2@112.73,52.1 v1(113.5,52.1) ; C40G.2@112.73,54.5 v1(113.5,54.5) ; C39G.2@112.73,56.9 v1(113.5,56.9) ; R6G.2@113.13,58.59 R6G.2@113.32,58.4 R6G.2@113.5,58.22 ; C62G.2@113.6,50.575 113.6,50.6 v1(114.3,51.3) ; C43G.2@115.1,50.53 v1(115.1,51.3) ; C44G.2@120.7,50.53 v1(120.7,51.3) C61G.2@121.425,51.3 121.5,51.375 v1(121.5,52.1) 122.225,52.1 C60G.2@122.625,52.5 ; v1(120.7,58.5) 121.47,58.5 C45G.2@121.5,58.47 v1(121.5,57.7) C42G.2@122.27,57.7
  BOT w0.102: U1G.W21@119.5,50.9 U1G.Y21@120.3,50.9 ; U1G.AA19@121.1,52.5 U1G.AA18@121.1,53.3 ; U1G.AA17@121.1,54.1 U1G.AA15@121.1,55.7 ; U1G.AA14@121.1,56.5 U1G.AA13@121.1,57.3
  BOT w0.254: U1G.M21@113.9,50.9 v1(114.3,51.3) ; U1G.W21@119.5,50.9 U1G.R21@116.3,50.9 v1(115.9,51.3) U1G.P21@115.5,50.9 v1(115.1,51.3) U1G.N21@114.7,50.9 v1(114.3,51.3) ; U1G.Y21@120.3,50.9 v1(120.7,51.3) ; U1G.AA21@121.1,50.9 v1(120.7,51.3) ; U1G.AA19@121.1,52.5 v1(121.5,52.1) U1G.AA20@121.1,51.7 v1(120.7,51.3) ; U1G.AA18@121.1,53.3 U1G.AA17@121.1,54.1 ; U1G.AA15@121.1,55.7 v1(121.5,56.1) U1G.AA14@121.1,56.5 ; U1G.AA13@121.1,57.3 v1(121.5,57.7) U1G.AA12@121.1,58.1 v1(120.7,58.5) U1G.Y12@120.3,58.1 U1G.M12@113.9,58.1 U1G.M13@113.9,57.3 ; U1G.M17@113.9,54.1 U1G.M19@113.9,52.5 v1(113.5,52.1) U1G.M20@113.9,51.7 v1(114.3,51.3) ; U1G.M17@113.9,54.1 v1(113.5,54.5) U1G.M16@113.9,54.9 ; U1G.M17@113.9,54.1 v1(114.3,54.5) U1G.M16@113.9,54.9 ; U1G.M16@113.9,54.9 U1G.M14@113.9,56.5 ; U1G.M14@113.9,56.5 v1(113.5,56.9) U1G.M13@113.9,57.3 ; U1G.M14@113.9,56.5 v1(114.3,56.9) U1G.M13@113.9,57.3
SNSG_P: C4G.2 C5G.2 L1G.2 R6G.1 R10G.2 U5G.23 U7G.14 | length 20.3
  TOP w0.483: R10G.2@117.15,50.035 117.5,49.685 v1(117.5,48.9) ; C4G.2@119.7,57.7 v1(120.7,57.7)
  S4(VDDR) w0.1: v1(120.7,57.7) 120.302,57.302 120.302,56.265 120.302,55.935 121.335,54.902 123.035,54.902 124.587,53.35 v1(125.5,53.35)
  S5(V) w0.1: v1(117.5,48.9) 119.502,50.902 122.077,50.902 124.525,53.35 v1(125.5,53.35)
SNSH_N: C39H.2 C40H.2 C41H.2 C42H.2 C43H.2 C44H.2 C45H.2 C60H.2 C61H.2 C62H.2 R6H.2 U1H.AA12 U1H.AA13 U1H.AA14 U1H.AA15 U1H.AA16 U1H.AA17 U1H.AA18 U1H.AA19 U1H.AA20 U1H.AA21 U1H.M12 U1H.M13 U1H.M14 U1H.M15 U1H.M16 U1H.M17 U1H.M18 U1H.M19 U1H.M20 U1H.M21 U1H.N12 U1H.N21 U1H.P12 U1H.P21 U1H.R12 U1H.R21 U1H.T12 U1H.T21 U1H.U12 U1H.U21 U1H.V12 U1H.V21 U1H.W12 U1H.W21 U1H.Y12 U1H.Y21 U5H.21 U5H.22 | length 50.1
  TOP w0.1: C60H.2@122.625,24 123.725,25.1 124.9,25.1 125.15,25.35 125.7,25.35 ; U5H.22@126.365,25.35 125.7,25.35 ; U5H.21@126.365,25.85 126,25.85 125.7,25.55 125.7,25.35
  TOP w0.483: C41H.2@112.73,23.6 v1(113.5,23.6) ; C40H.2@112.73,26 v1(113.5,26) ; C39H.2@112.73,28.4 v1(113.5,28.4) ; R6H.2@113.13,30.09 R6H.2@113.32,29.9 R6H.2@113.5,29.72 ; C62H.2@113.6,22.075 113.6,22.1 v1(114.3,22.8) ; C43H.2@115.1,22.03 v1(115.1,22.8) ; C44H.2@120.7,22.03 v1(120.7,22.8) C61H.2@121.425,22.8 121.5,22.875 v1(121.5,23.6) 122.225,23.6 C60H.2@122.625,24 ; v1(120.7,30) 121.47,30 C45H.2@121.5,29.97 v1(121.5,29.2) C42H.2@122.27,29.2
  BOT w0.102: U1H.W21@119.5,22.4 U1H.Y21@120.3,22.4 ; U1H.AA19@121.1,24 U1H.AA18@121.1,24.8 ; U1H.AA17@121.1,25.6 U1H.AA15@121.1,27.2 ; U1H.AA14@121.1,28 U1H.AA13@121.1,28.8
  BOT w0.254: U1H.M21@113.9,22.4 v1(114.3,22.8) ; U1H.W21@119.5,22.4 U1H.V21@118.7,22.4 U1H.U21@117.9,22.4 U1H.T21@117.1,22.4 U1H.R21@116.3,22.4 v1(115.9,22.8) U1H.P21@115.5,22.4 v1(115.1,22.8) U1H.N21@114.7,22.4 v1(114.3,22.8) ; U1H.Y21@120.3,22.4 v1(120.7,22.8) ; U1H.AA21@121.1,22.4 v1(120.7,22.8) ; U1H.AA19@121.1,24 v1(121.5,23.6) U1H.AA20@121.1,23.2 v1(120.7,22.8) ; U1H.AA18@121.1,24.8 U1H.AA17@121.1,25.6 ; U1H.AA15@121.1,27.2 v1(121.5,27.6) U1H.AA14@121.1,28 ; U1H.AA13@121.1,28.8 v1(121.5,29.2) U1H.AA12@121.1,29.6 v1(120.7,30) U1H.Y12@120.3,29.6 U1H.W12@119.5,29.6 U1H.V12@118.7,29.6 U1H.U12@117.9,29.6 U1H.T12@117.1,29.6 U1H.R12@116.3,29.6 U1H.P12@115.5,29.6 U1H.N12@114.7,29.6 U1H.M12@113.9,29.6 U1H.M13@113.9,28.8 ; U1H.M17@113.9,25.6 U1H.M19@113.9,24 v1(113.5,23.6) U1H.M20@113.9,23.2 v1(114.3,22.8) ; U1H.M17@113.9,25.6 v1(113.5,26) U1H.M16@113.9,26.4 ; U1H.M17@113.9,25.6 v1(114.3,26) U1H.M16@113.9,26.4 ; U1H.M16@113.9,26.4 U1H.M14@113.9,28 ; U1H.M14@113.9,28 v1(113.5,28.4) U1H.M13@113.9,28.8 ; U1H.M14@113.9,28 v1(114.3,28.4) U1H.M13@113.9,28.8
SNSH_P: C4H.2 C5H.2 L1H.2 R6H.1 R10H.2 U5H.23 U7H.14 | length 20.3
  TOP w0.483: R10H.2@117.15,21.535 117.5,21.185 v1(117.5,20.4) ; C4H.2@119.7,29.2 v1(120.7,29.2)
  S4(VDDR) w0.1: v1(120.7,29.2) 120.302,28.802 120.302,27.765 120.302,27.435 121.335,26.402 123.035,26.402 124.587,24.85 v1(125.5,24.85)
  S5(V) w0.1: v1(117.5,20.4) 119.502,22.402 122.077,22.402 124.525,24.85 v1(125.5,24.85)
STAT_LED: Q1002.1 U1005.C8 | length 21.2
  BOT w0.102: Q1002.1@10.616,39.038 12.537,39.038 cw(c12.537,38.602) 12.973,38.602 12.973,36.307 ccw(c13.732,36.307) 13.732,35.548 21.862,35.548 cw(c21.862,34.008) 22.95,35.098 ; U1005.C8@22.829,29.919 23.349,30.439 ccw(c22.43,31.357) 23.729,31.357 23.729,33.45 ccw(c21.631,33.45) 23.115,34.933 ; 22.951,35.097 23.115,34.934
TELEM0: NT1.B
TELEM1: NT2.B
TELEM2: NT3.B
TELEM3: NT4.B
TELEM4: NT5.B
TELEM5: NT6.B
TELEM6: NT7.B
TELEM7: NT8.B
TELEM8: NT9.B
TELEM9: NT10.B
TELEM10: NT11.B
TELEM11: NT12.B
TELEM12: NT13.B
TELEM13: NT14.B
TELEM14: NT15.B
TELEM15: NT16.B
TX1A.RX_N: C176.1 L12.1
TX1A.RX_P: C177.1 L11.1
TX1B.RX_N: C180.1 L14.1
TX1B.RX_P: C181.1 L13.1
TX2A.RX_N: C184.1 L16.1
TX2A.RX_P: C185.1 L15.1
TX2B.RX_N: C188.1 L18.1
TX2B.RX_P: C189.1 L17.1